# Altium PCB netv2mvp-dvt1a.PCBDOC (part 5 of 6)
Units mm, origin at the board's own origin, x right, y up, seen from the top; angles counter-clockwise.
Board outline 90 x 100 mm, 6 copper layers (L1, L2, L3, L4, L5, L6), stack 1.542 mm thick; 329 components, 277 nets, 2092 pads, 848 vias.
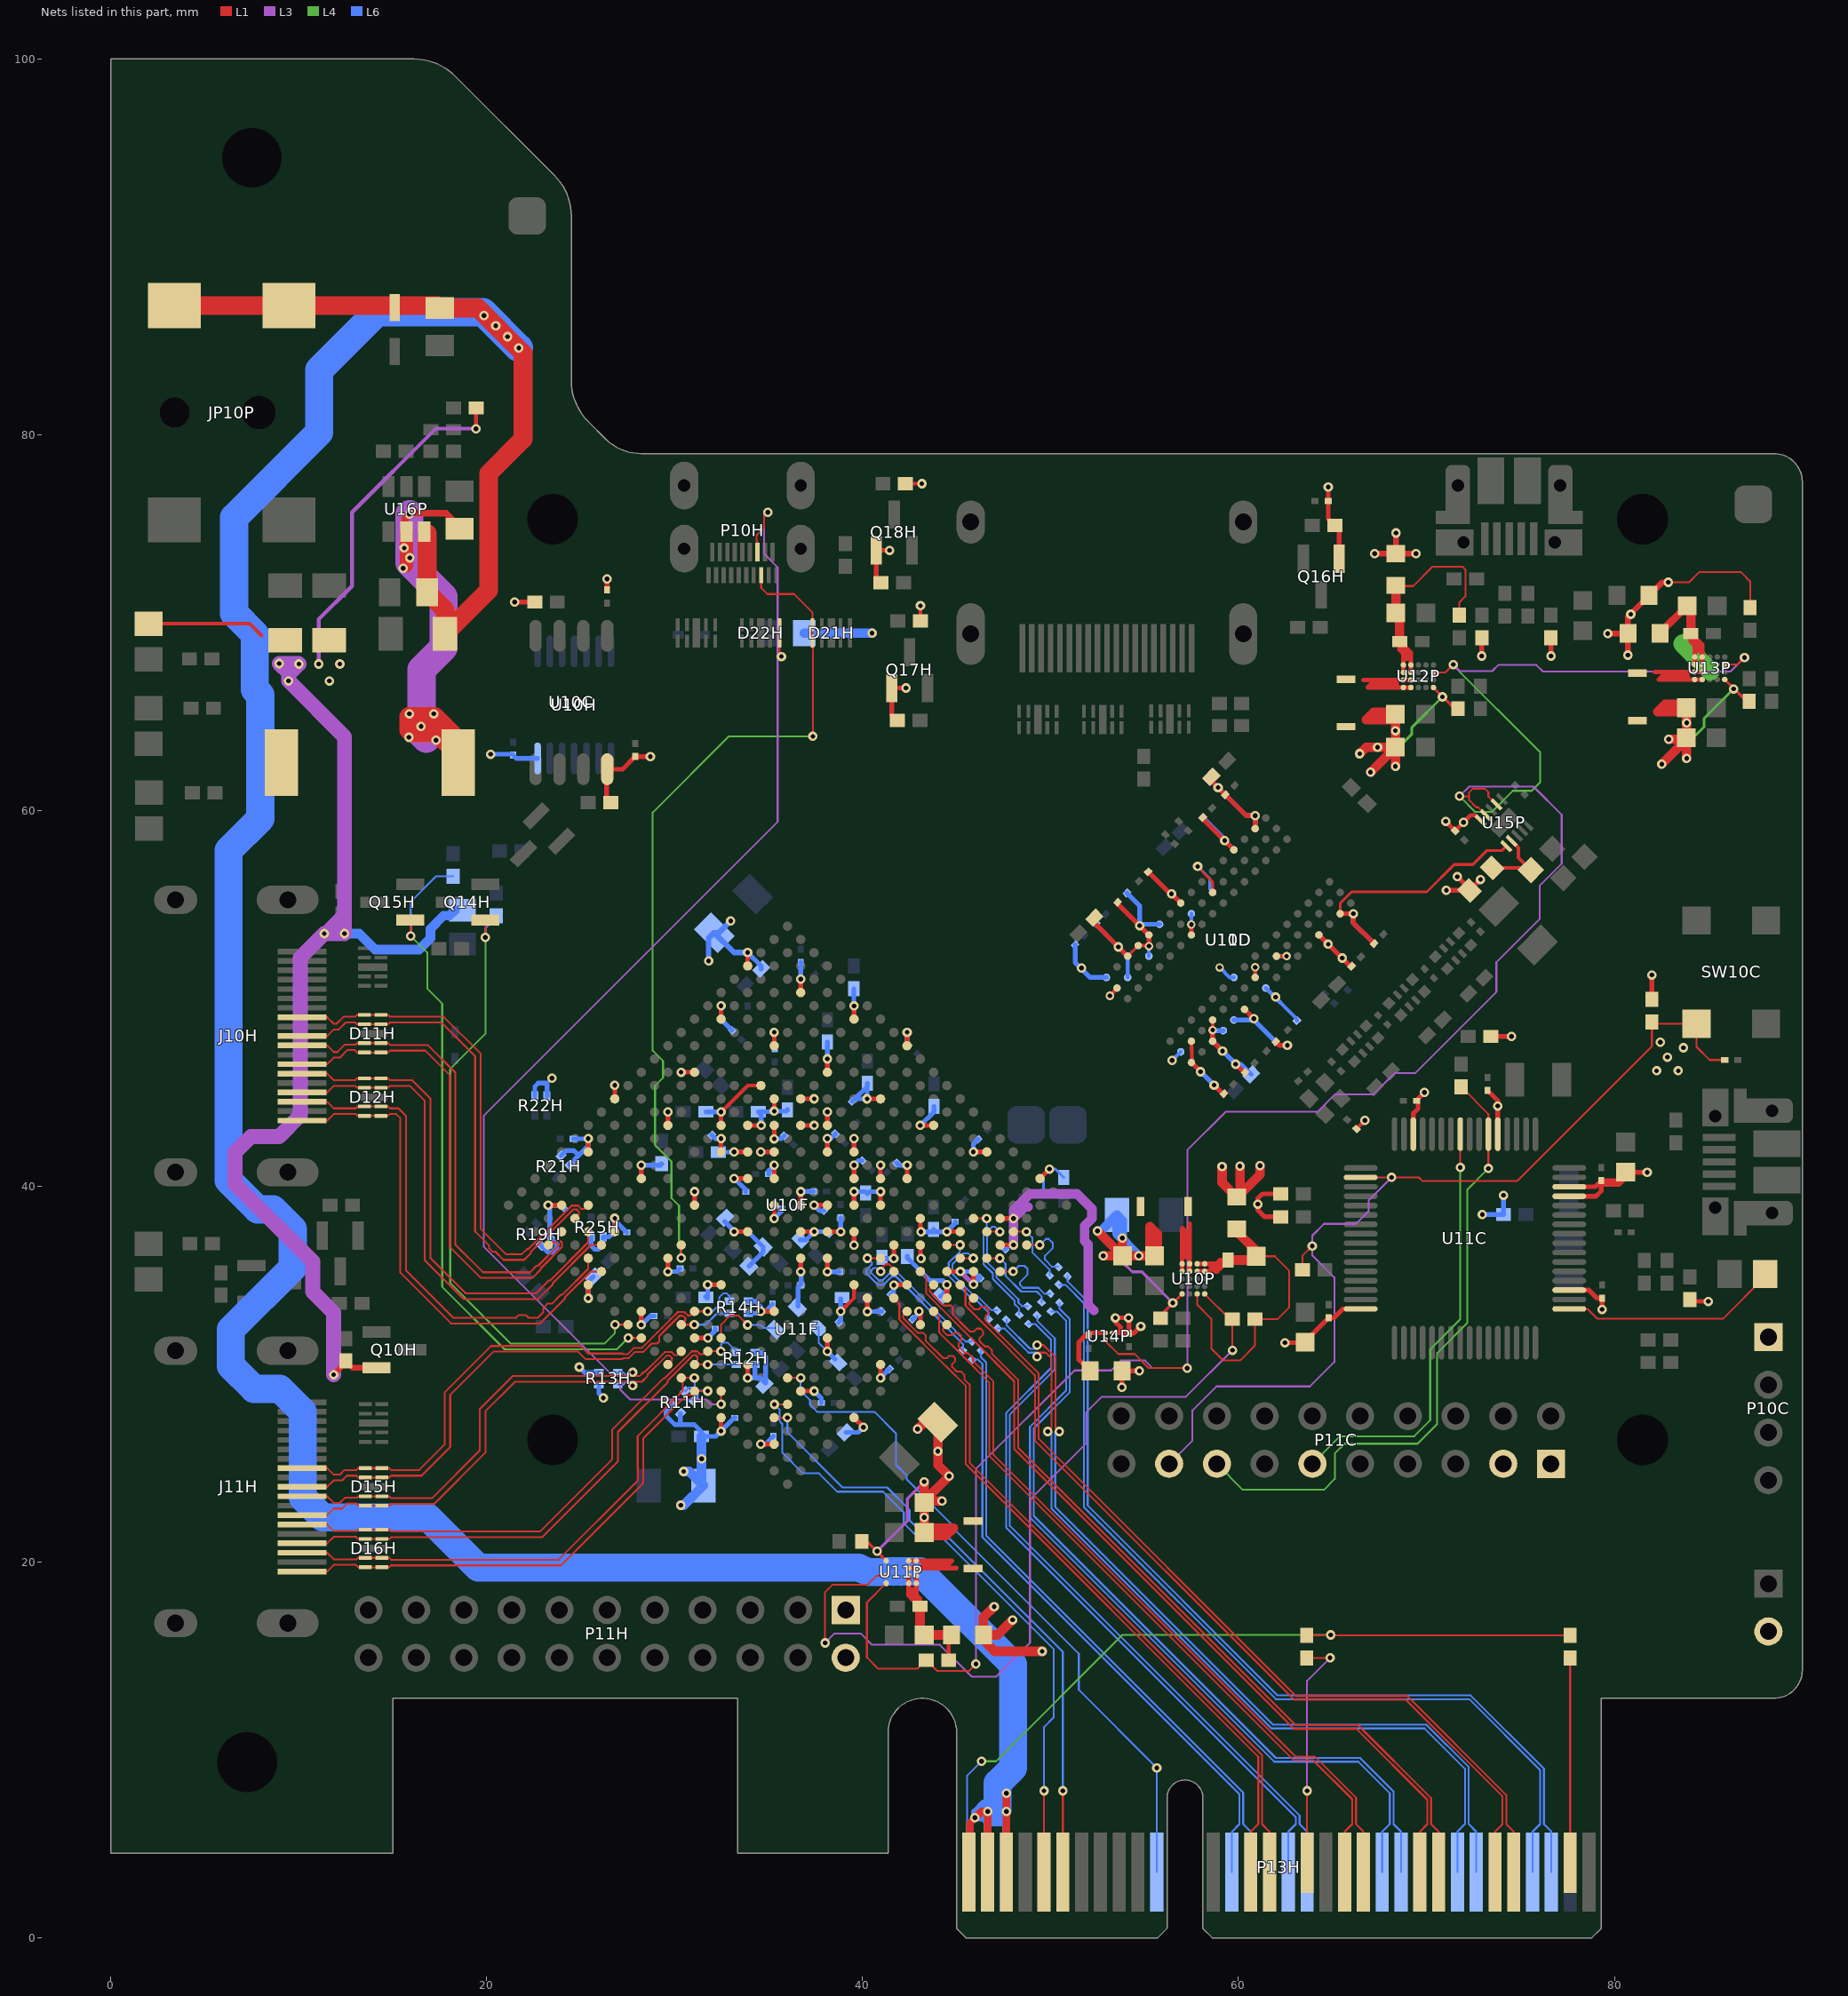
[diagram p9: the nets of this part, all layers, seen from the top]

## Via types
v1: diameter 0.5, hole 0.25, L1 to L6, tented both sides, 789 vias
v2: diameter 0.45, hole 0.25, L1 to L6, tented both sides, 57 vias
v3: diameter 0.5, hole 0.25, L1 to L6, tented top, 2 vias

## Nets (pads, with @x,y where several pads share a name; then routed paths per layer and width w, separated by ;. In a path a pad name is that pad's centre, name@x,y a point inside that pad or via, vN(x,y) a via of type N, cw(c..) or ccw(c..) an arc to the next point about the centre after c; other vN are vias at no path point) (continued)
P1.0V: C10F.1 C11F.1 C12F.1 C14P.1 C15P.1 C38F.1 C39F.1 C41F.1 C42F.1 C43F.1 C44F.1 C45F.1 C46F.1 C47F.1 C48F.1 C49F.1 L10P.2 R14P.2 U10F.D6 U10F.D10 U10F.E8 U10F.F7 U10F.F9 U10F.H8 U10F.H10 U10F.J7 U10F.J9 U10F.J11 U10F.K8 U10F.L7 U10F.L11 U10F.M8 U10F.N7 U10F.N11 U10F.P8 U10F.P10 U10F.R7 U10F.R9 U10F.T8 U10F.T10 U10P.A4 | length 47.7
  L1 w0.15: R14P.2@55.85,32.975 55.85,33.125 U10P.A4@57,34.275
  L1 w0.25: U10F.T10@33.879,43.243 v1(34.594,43.243) ; v1(34.578,41.828) U10F.P10@35.293,41.828 ; U10F.N11@35.293,40.414 v1(35.293,41.129) ; v1(35.293,42.528) U10F.R9@35.293,43.243 ; v1@35.293,43.942 v1(35.293,44) U10F.T8@35.293,44.657 ; U10F.L11@36.707,39 v1(36.707,39.715) ; U10F.P8@36.707,43.243 v1(37.422,43.243) ; U10F.R7@36.707,44.657 v1(37.422,44.657) ; U10F.J11@38.121,37.586 v1(38.836,37.586) ; U10F.M8@38.121,41.828 v1(38.121,42.543) ; U10F.N7@38.121,43.243 v1(38.121,43.958) ; v1(39.536,36.871) U10F.H10@39.536,37.586 ; U10F.J9@39.536,39 v1(39.536,39.715) ; U10F.K8@39.536,40.414 v1(39.536,41.129) ; U10F.L7@39.536,41.828 v1(39.536,42.543) ; U10F.H8@40.95,39 v1(40.95,39.715) ; U10F.J7@40.95,40.414 v1(40.95,41.129) ; v1@41.649,34.757 U10F.D10@42.364,34.757 ; v1(41.657,36.164) U10F.F9@41.657,36.879 ; v1@43.071,36.164 U10F.E8@43.071,36.879 ; v1@43.071,37.578 U10F.F7@43.071,38.293 ; v1(44.477,37.586) U10F.D6@45.192,37.586
  L1 w0.5: v1(52.5,37.625) C14P.1@53.825,36.3 ; v1(52.8,36.3) C14P.1@53.825,36.3 ; v1(53.825,37.25) C14P.1@53.825,36.3 ; C14P.1@54.025,36.3 C15P.1@55.525,36.3 ; C15P.1@55.525,36.3 55.675,36.45 55.675,37.45 55.275,37.85 55.275,36.55 C15P.1@55.525,36.3
  L3 w0.15: v1(53.825,37.25) 53.825,35.975 54.35,35.45 54.85,35.45 v1(56.5,33.8)
  L6 w0.25: v1(34.594,43.243) 34.594,43.831 C46F.1@34.45,43.975 35.268,43.975 v1(35.293,44) 35.925,44 C47F.1@36,44.075 ; C39F.1@35,40.65 35,40.836 v1(35.293,41.129) ; v1(35.293,42.528) 35.658,42.528 C42F.1@35.828,42.697 ; v1(36.707,39.715) 36.717,39.725 C45F.1@37.375,39.725 ; v1(38.121,42.543) 38.298,42.543 C43F.1@38.553,42.797 ; C11F.1@38.825,38.325 38.825,37.597 v1(38.836,37.586) ; v1(39.536,39.715) 40.135,39.715 40.25,39.6 40.365,39.715 v1(40.95,39.715) ; v1(39.536,41.129) 39.779,41.372 C41F.1@39.978,41.372 ; C48F.1@41.025,36.225 41.086,36.164 v1(41.657,36.164) ; C12F.1@41.503,34.222 41.649,34.369 v1@41.649,34.757 ; v1@43.071,37.578 C10F.1@43.653,37.578 ; C10F.1@43.775,37.7 C10F.1@43.653,37.578 ; C44F.1@44.925,38.125 44.925,38.033 v1(44.477,37.586) 44.47,37.578 C10F.1@43.653,37.578
  L6 w0.5: v1(52.5,37.625) 52.675,37.625 C49F.1@53.525,38.475 ; v1(53.825,37.25) 53.825,38.175 C49F.1@53.525,38.475 ; v1(54.7,36.3) 53.525,37.475 C49F.1@53.525,38.475
  other v1: 41.66,34.74 43.1,36.164 43.1,37.578
P1.2VTT: C15F.1 C16F.1 C17F.1 C27P.1 C87F.1 C88F.1 R11F.2 U10F.B5 U10F.B7 U10F.B9 U10F.B11 U10F.C4 U10F.C8 U14P.A2 | length 29.9
  L1 w0.25: U10F.B11@43.071,32.636 v1@43.071,33.351 ; U10F.B9@44.485,34.05 v1(44.485,34.765) ; U10F.C8@44.485,35.464 v1(45.2,35.464) ; v1@45.899,34.749 v1(45.899,34.78) U10F.B7@45.899,35.464 ; U10F.B5@47.314,36.879 v1(48.029,36.879) ; U10F.C4@47.314,38.293 v1(48.029,38.293) ; U14P.A2@53.275,32.2 53.725,32.2 ; v1(54.8,32.55) 54.425,32.175 C27P.1@54.175,32.175 ; 53.725,32.2 53.725,32.5 53.45,32.775 v1(53.45,33) v1(54.15,33) 54.175,33.025 C27P.1@54.175,32.175 ; 53.725,32.2 54.15,32.2 C27P.1@54.175,32.175
  L3 w0.25: v1(45.2,35.464) 45.885,34.78 v1(45.899,34.78)
  L3 w0.5: v1(48.029,36.879) v1(48.029,38.293) ; 48.8,38.9 48.636,38.9 v1(48.029,38.293) ; 52.3,33.4 52,33.7 52,36.904 51.8,37.104 51.8,37.892 52.2,38.292 52.2,38.8 51.4,39.6 48.9,39.6 48.029,38.729 v1(48.029,38.293)
  L6 w0.25: R11F.2@42.375,36.275 42.375,36.188 43.581,34.982 44.269,34.982 v1(44.485,34.765) 44.485,34.484 C17F.1@44.151,34.149 ; C15F.1@42.647,32.922 43.071,33.346 v1@43.071,33.351 ; v1(45.2,35.464) 45.9,35.464 C87F.1@46.242,35.122 ; v1(45.899,34.78) C87F.1@46.242,35.122 ; C87F.1@46.253,35.122 C87F.1@46.242,35.122 ; C88F.1@47.578,36.647 47.809,36.879 v1(48.029,36.879) ; v1(48.029,38.293) 48.45,38.714 C16F.1@48.45,38.725
  other v1: 43,33.351
P1.5V_D: C14D.1 C15D.1 C16D.1 C17D.1 C18D.1 C19D.1 C21D.1 C22D.1 C22P.1 C23D.1 C23P.1 C24D.1 C25D.1 C36D.1 C37D.1 C38D.1 C39D.1 C40D.1 C41D.1 C44D.1 C45D.1 C46D.1 C47D.1 C48D.1 C49D.2 C50D.1 C59F.1 C60F.1 C61F.1 C62F.1 C63F.1 C64F.1 C65F.1 C73F.1 C74F.1 C75F.1 C76F.1 C77F.1 C78F.1 C79F.1 L12P.2 R23P.2 R27P.2 U10D.A1 U10D.A8 U10D.B2 U10D.C1 U10D.C9 U10D.D2 U10D.D9 U10D.E9 U10D.F1 U10D.G7 U10D.H2 U10D.H9 U10D.K2 U10D.K8 U10D.N1 U10D.N9 U10D.R1 U10D.R9 U10F.AA7 U10F.AB4 U10F.C1 U10F.F2 U10F.H6 U10F.J3 U10F.M4 U10F.N1 U10F.R5 U10F.T2 U10F.V6 U10F.W3 U11D.A1 U11D.A8 U11D.B2 U11D.C1 U11D.C9 U11D.D2 U11D.D9 U11D.E9 U11D.F1 U11D.G7 U11D.H2 U11D.H9 U11D.K2 U11D.K8 U11D.N1 U11D.N9 U11D.R1 U11D.R9 U12P.A4 U15P.1 | length 124.9
  L1 w0.15: U11D.C9@54.099,52.25 U11D.D9@54.665,52.816 ; v1(57.825,57.025) 57.825,57 58.624,56.201 U11D.K8@58.624,55.644 ; U11D.R1@65.413,54.513 65.413,55.063 66.025,55.675 70.025,55.675 71.475,57.125 72.475,57.125 73.225,57.875 74.025,57.875 U15P.1@74.25,58.1 ; U12P.A4@70.375,66.55 71.525,65.4 R23P.2@71.675,65.4
  L1 w0.2: v2@53.152,50.143 U11D.A8@53.533,50.553 ; U11D.D9@54.665,52.816 v2@55.202,52.816 ; U11D.B2@57.493,47.724 U11D.A1@57.534,46.595 ; v2(58.624,48.319) U11D.D2@58.624,48.856 ; U11D.H2@60.887,51.119 v2(60.887,51.656) ; U11D.K2@62.018,52.25 v2(62.556,52.25) ; C50D.1@66.272,43.053 v1(66.725,43.505)
  L1 w0.25: U10F.AA7@32.464,48.899 v1(32.464,49.614) ; U10F.AB4@33.879,51.728 v1(33.879,52.443) ; U10F.V6@35.293,47.485 v1(35.293,48.2) ; U10F.W3@36.707,50.314 v1(36.707,51.029) ; U10F.R5@38.121,46.071 v1(38.121,46.786) ; U10F.T2@39.536,48.899 v1(39.536,49.6) v1@39.536,49.614 ; v1(40.235,44.657) U10F.M4@40.95,44.657 ; U10F.H6@42.364,40.414 v1(42.364,41.129) ; U10F.N1@42.364,47.485 v1(42.364,48.2) ; v1(43.063,43.243) U10F.J3@43.778,43.243 ; v1(45.892,41.828) U10F.F2@46.607,41.828 ; U10F.C1@49.435,40.414 v1(49.941,40.92) ; C23D.1@61.983,47.689 62.172,47.5 v1(62.6,47.5) ; v1(71.06,55.75) R27P.2@71.775,55.75 ; v1(71.644,56.481) R27P.2@72.15,55.975 ; R27P.2@72.375,55.825 v1(72.881,56.331)
  L1 w0.254: C37D.1@52.331,54.3 52.331,54.018 v1(53.607,52.742) U11D.C9@54.099,52.25 ; C25D.1@53.569,55.114 53.569,55.043 v1(54.738,53.874) U11D.E9@55.23,53.381 v2@55.23,52.844 ; C18D.1@55.195,56.74 56.364,55.571 v1(56.435,55.571) U11D.H9@56.927,55.078 ; U11D.A1@57.493,46.593 v1(57.985,46.101) ; U11D.G7@57.493,53.381 v2(57.493,53.93) ; C16D.1@58.094,59.639 58.094,59.568 v1(59.263,58.399) U11D.N9@59.756,57.907 ; C15D.1@58.554,61.796 58.554,61.584 C45D.1@59.296,60.841 60.403,59.734 v1(60.887,59.734) U11D.R9@60.887,59.038 ; v2@58.624,48.274 U11D.C1@58.624,47.724 v1(59.15,47.199) ; v1(58.7,45.386) 59.155,44.931 C14D.1@59.225,44.931 ; v1(59.85,46.5) C17D.1@60.286,46.063 ; U11D.F1@60.321,49.421 v1(60.814,48.929) ; U11D.N1@64.281,53.381 v1(64.774,52.889) 65.943,51.72 C19D.1@66.014,51.72 ; U11D.R1@65.413,54.513 v1(66.109,54.513) 66.109,54.029 C22D.1@67.216,52.922
  L1 w0.5: v1(66.45,63.025) 66.8,63.375 v1(67.4,63.375) C22P.1@68.35,63.375 ; v1(67.025,62.05) C22P.1@68.35,63.375 ; v1(68.35,62.35) C22P.1@68.35,63.375 ; C22P.1@68.35,63.575 C23P.1@68.35,65.075 ; C23P.1@68.35,65.075 68.1,64.825 66.8,64.825 67.2,65.225 68.2,65.225 C23P.1@68.35,65.075
  L4 w0.15: v1(68.35,62.35) 68.35,63.2 69.225,64.075 69.225,64.425 v1(70.85,66.05)
  L6 w0.15: C74F.1@49.625,39.675 49.625,40.604 v1(49.941,40.92) 50.255,40.92 C65F.1@50.7,40.475 ; v1(57.825,57.025) 58.475,56.375 58.475,55.793 U10D.K2@58.624,55.644
  L6 w0.2: U10D.B2@54.099,51.119 U10D.C1@54.099,52.25 ; U10D.D2@55.23,52.25 v2(55.23,52.787) ; v1(56.469,46.7) U10D.A8@56.927,47.159 ; v2@57.493,53.976 U10D.H2@57.493,54.513 ; v2(59,51.65) 59.531,51.119 U10D.G7@59.756,51.119 ; U10D.H9@61.453,50.553 63.115,48.891 C39D.1@63.115,48.82 ; U10D.K8@62.018,52.25 v2(62.556,52.25) ; U10D.N9@64.264,53.329 U10D.N9@64.281,53.381 65.943,51.72 C41D.1@66.014,51.72 ; U10D.R9@65.413,54.513 v1@65.909,54.513
  L6 w0.25: v1(32.464,49.614) 32.464,48.886 C76F.1@33.053,48.297 ; v1(33.879,52.443) 34.599,51.722 C78F.1@34.599,51.574 ; C61F.1@35.293,47.357 v1(35.293,48.2) ; C75F.1@36.7,51.925 36.7,51.036 v1(36.707,51.029) ; v1(38.121,46.786) 38.125,46.79 C79F.1@38.125,47.675 ; C62F.1@39.447,44.522 39.582,44.657 ; C63F.1@39.525,50.525 39.525,49.611 v1(39.536,49.6) ; C59F.1@41.797,41.247 41.916,41.129 v1(42.364,41.129) ; v1(42.364,48.2) 42.364,47.586 C60F.1@42.428,47.522 ; v1(43.063,43.243) 43.8,43.979 C64F.1@43.8,44.25 ; v1(45.892,41.828) 45.892,42.242 C73F.1@46.153,42.503 ; 39.582,44.657 v1(40.235,44.657) C77F.1@40.235,45.31 ; 39.582,44.657 C77F.1@40.235,45.31 ; C77F.1@40.235,45.31 40.235,45.46 C77F.1@40.25,45.475 40.25,45.325 C77F.1@40.235,45.31
  L6 w0.254: C48D.1@51.306,52.851 51.306,51.919 52.106,51.119 U10D.A1@52.968,51.119 ; C47D.1@52.437,53.982 52.437,53.912 v1(53.607,52.742) U10D.C1@54.099,52.25 ; C46D.1@54.064,55.609 54.738,54.934 v1(54.738,53.874) ; v1@54.811,53.947 U10D.F1@55.796,53.947 ; v1(57.985,46.101) v1(58.7,45.386) ; C24D.1@58.094,59.639 59.263,58.47 v1(59.263,58.399) U10D.N1@59.756,57.907 ; C21D.1@58.554,61.796 58.554,61.584 C36D.1@59.296,60.841 60.403,59.734 v1(60.887,59.734) U10D.R1@60.887,59.038 ; U10D.C9@58.624,47.724 v1(59.85,46.5) ; v2@58.653,48.29 U10D.D9@59.19,48.29 ; U10D.E9@59.756,48.856 v1@60.74,48.856 ; v1(59.85,46.5) 60.132,46.5 C44D.1@60.675,45.957 ; v1(60.814,48.929) 60.814,48.858 C40D.1@61.983,47.689 ; v1(66.109,54.513) 66.109,54.029 C38D.1@67.216,52.922
  L6 w0.3: v1(31.8,52) 31.8,53.2 C49D.2@32.1,53.5 ; v1(32.975,54.125) 32.35,53.5 C49D.2@32.1,53.5 ; v1(33.879,52.443) 33.156,52.443 C49D.2@32.1,53.5
  other v1: 61.975,50.075 51.65,51.625 65.525,52.15 58.912,61.225 68.35,64.25
  other v2: 53.153,50.142
P1.8V: C16P.1 C17P.1 C26F.1 C28F.1 C29F.1 C30F.1 C31F.1 C32F.1 C33F.1 C34F.1 C35F.1 L11P.2 R15P.2 U10F.E12 U10F.H12 U10F.K10 U10F.K12 U10F.M12 U10F.P12 U10F.R11 U11P.A4 | length 31
  L1 w0.15: R15P.2@39.95,21.225 40.1,21.225 40.762,20.563 U11P.A4@41.25,20.075
  L1 w0.25: v1(33.164,40.414) U10F.P12@33.879,40.414 ; v1(33.164,41.828) U10F.R11@33.879,41.828 ; v1(35.293,38.285) U10F.M12@35.293,39 ; U10F.K12@36.707,37.586 v1(37.422,37.586) ; v1(37.406,39) U10F.K10@38.121,39 ; v1(38.121,35.457) U10F.H12@38.121,36.172 ; v1(40.243,33.335) U10F.E12@40.243,34.05
  L1 w0.5: v1(42.925,27.075) 43.3,27.45 C35F.1@44,27.45 44,25.175 v1(44.6,24.575) C16P.1@43.275,23.25 ; C16P.1@43.275,23.05 C17P.1@43.275,21.55 ; v1(43.275,24.275) C16P.1@43.275,23.25 ; v1(44.225,23.25) C16P.1@43.275,23.25 ; C17P.1@43.275,21.55 43.525,21.8 44.825,21.8 44.425,21.4 43.425,21.4 C17P.1@43.275,21.55
  L3 w0.15: v1(40.775,20.575) 42.375,22.175 42.375,23.375 v1(43.275,24.275)
  L6 w0.25: C28F.1@32.325,41.825 33.16,41.825 v1(33.164,41.828) ; v1(33.164,40.414) 33.775,39.803 C26F.1@33.775,39.7 ; v1(35.293,38.285) 35.675,38.667 C34F.1@35.675,38.825 ; C29F.1@36.676,37.149 36.986,37.149 v1(37.422,37.586) 38.089,37.586 C33F.1@38.203,37.472 ; v1(37.406,39) 37.709,38.697 C32F.1@37.947,38.697 ; v1(38.121,35.457) 38.128,35.45 C31F.1@38.775,35.45 ; v1(40.243,33.335) 40.715,33.335 40.728,33.347 C30F.1@41.003,33.347
  other v1: 43.275,22.375 44,25.9
P3.3V: C10C.1 C10H.1 C12H.1 C17C.1 C18C.1 C19C.1 C20C.1 C21C.1 C22C.1 C23C.1 C24P.1 C25P.1 C37P.1 C50F.1 C51F.1 C52F.1 C53F.1 C54F.1 C55F.1 C56F.1 C57F.1 C58F.1 C66F.1 C67F.1 C68F.1 C69F.1 C70F.1 C71F.1 C72F.1 C80F.1 C81F.1 C82F.1 C83F.1 C84F.1 C85F.1 C86F.1 C89F.1 L13P.2 P10C.1 P10F.2 P11H.1 P11H.2 Q16H.1 Q17H.1 Q18H.1 R10C.1 R11C.1 R11H.1 R11H.2 R12C.1 R12F.2 R12H.3 R12H.4 R13F.2 R13H.1 R13H.2 R14F.2 R14H.3 R14H.4 R16C.1 R17C.2 R19H.3 R19H.4 R20C.2 R20P.2 R21C.2 R21H.1 R21H.2 R22C.2 R22H.1 R22H.2 R23C.1 R23H.1 R24H.1 R24P.2 R25H.3 R25H.4 R36H.1 R42H.1 R44H.1 U10C.8 U10F.A17 U10F.AA17 U10F.AB14 U10F.B14 U10F.C21 U10F.D18 U10F.E15 U10F.F12 U10F.F22 U10F.G19 U10F.H16 U10F.J13 U10F.K20 U10F.L17 U10F.M14 U10F.N21 U10F.P18 U10F.R15 U10F.T12 U10F.T22 U10F.U8 U10F.U11 U10F.U19 U10F.V16 U10F.W13 U10F.Y10 U10F.Y20 U10H.14 U11C.3 U11C.13 U11C.14 U11C.21 U11C.30 U11C.48 U11F.1 U11F.4 U13P.A4 U15P.10 | length 145
  L1 w0.15: U13P.A4@85.875,66.975 86.362,66.487 87.025,65.825 R24P.2@87.175,65.825
  L1 w0.2: v1(32.464,43.958) 32.483,43.958 33.889,45.364 U10F.U8@34.586,45.364 ; v1(38.828,33.343) 39.536,34.051 U10F.F12@39.536,34.757 ; C37P.1@71.528,58.922 72.355,59.75 72.6,59.75 U15P.10@72.878,59.472
  L1 w0.25: v1(21.475,71.1) R12C.1@22.55,71.1 ; v1(23.264,39) U10F.Y20@23.979,39 ; v1(25.393,34.042) U10F.T22@25.393,34.757 ; U10F.AA17@25.393,41.828 v1(25.393,42.543) ; R11C.1@26.375,60.525 26.375,62.17 U10C.8@26.405,62.2 27.225,62.2 C10C.1@27.9,62.875 v1(28.7,62.875) ; R10C.1@26.4,71.75 v1(26.4,72.325) ; U10F.U19@26.808,37.586 v1(26.808,38.301) ; U10F.AB14@26.808,44.657 v1(26.808,45.372) ; v1(28.222,32.628) U10F.N21@28.222,33.343 ; U10F.V16@28.222,40.414 v1(28.222,41.129) ; v1(29.636,35.457) U10F.P18@29.636,36.172 ; U10F.W13@29.636,43.243 v1(29.636,43.958) ; v1(30.335,46.071) U10F.Y10@31.05,46.071 ; U10F.K20@31.05,31.929 v1(31.765,31.929) ; U10F.R15@31.05,39 v1(31.05,39.715) ; v1(31.749,34.757) U10F.L17@32.464,34.757 ; v1(32.464,26.971) U10F.F22@32.464,27.686 ; U10F.T12@32.464,41.828 v1(32.464,42.543) ; U10F.U11@32.464,43.243 v1(32.464,43.958) ; v1(33.164,37.586) U10F.M14@33.879,37.586 ; v1(33.879,29.8) U10F.G19@33.879,30.515 ; v1(34.578,26.272) U10F.C21@35.293,26.272 ; v1(34.578,33.343) U10F.H16@35.293,33.343 ; U10F.D18@36.707,29.101 v1(37.422,29.101) ; v1(36.707,35.457) U10F.J13@36.707,36.172 ; v1(38.121,31.214) U10F.E15@38.121,31.929 ; U10F.A17@39.536,27.686 v1(40.041,27.181) ; v1(40.95,29.8) U10F.B14@40.95,30.515 ; R44H.1@40.975,72.125 40.725,72.375 Q18H.1@40.725,73.85 v1(41.425,73.85) ; R42H.1@41.85,64.8 41.55,65.1 Q17H.1@41.55,66.525 v1(42.3,66.525) ; v1(53.8,29.3) R20P.2@53.8,30.175 v1(54.725,30.175) ; R22C.2@62.25,38.375 61.4,38.375 61.025,38.75 61.025,39.35 61.275,39.6 R21C.2@62.25,39.6 ; v1(62.475,31.675) 63.525,31.675 C17C.1@63.55,31.7 63.55,31.75 C19C.1@64.8,33 65.075,33 65.55,33.475 U11C.48@66.5,33.475 ; v1(64.775,77.225) C12H.1@64.775,76.475 64.775,75.525 R36H.1@65.125,75.175 65.35,74.95 Q16H.1@65.35,73.4 ; U11C.30@69.3,42.775 69.3,43.875 69.55,44.125 69.55,44.65 v1(69.9,45) ; v1(71.022,59.428) C37P.1@71.528,58.922 ; v1(72.95,68.225) R24H.1@72.95,69.2 ; C18C.1@73.25,45.1 73.8,44.55 U11C.21@73.8,42.775 ; R16C.1@73.425,47.975 v1(74.525,47.975) ; v1(76.625,68.225) R23H.1@76.625,69.2 ; U11C.3@77.6,34.475 78.65,34.475 79.075,34.05 C20C.1@79.35,34.05 v1(79.35,33.45) ; U11C.13@77.6,39.475 79.025,39.475 79.3,39.75 C23C.1@79.3,40.3 ; U11C.14@77.6,39.975 78.975,39.975 C23C.1@79.3,40.3 ; v1(81.75,40.75) C22C.1@80.6,40.75 ; R23C.1@82,49.95 v1(82,51.25) ; R20C.2@84.025,33.975 84.125,33.875 v1(85,33.875) ; C23C.1@79.3,40.3 80.15,40.3 C22C.1@80.6,40.75 ; C23C.1@79.3,40.3 79.5,40.1 80.25,40.1 80.6,40.45 C22C.1@80.6,40.75
  L1 w0.5: v1(82.525,62.475) C25P.1@83.85,63.8 ; v1(82.9,63.8) C25P.1@83.85,63.8 ; v1(83.85,62.775) C25P.1@83.85,63.8 ; C25P.1@83.85,64 v1(83.85,64.675) C24P.1@83.85,65.5 ; C24P.1@83.85,65.5 83.6,65.25 82.3,65.25 82.7,65.65 83.7,65.65 C24P.1@83.85,65.5
  L4 w0.15: v1(83.85,62.775) 83.85,63.525 84.775,64.45 84.775,64.9 v1(86.35,66.475)
  L6 w0.1: U11F.1@37.656,32.535 37.656,31.679 v1(38.121,31.214)
  L6 w0.2: C58F.1@31.65,43.975 C58F.1@31.667,43.958
  L6 w0.25: v1(20.2,63) 21.35,63 21.575,62.775 U10H.14@22.7,62.775 ; R22H.1@22.55,44.8 22.55,45.31 22.73,45.49 23.2,45.49 R22H.2@23.2,44.8 ; R19H.4@22.887,36.853 23.26,36.48 23.45,36.48 23.72,36.75 23.72,36.939 R19H.3@23.347,37.313 23.347,38.917 v1(23.264,39) 23.94,39 C81F.1@24.133,38.807 ; R21H.1@23.95,41.63 24.22,41.9 24.64,41.9 24.89,41.65 ; R21H.2@24.41,41.17 24.89,41.65 ; C83F.1@24.6,42.525 25.375,42.525 v1(25.393,42.543) 25.393,42.154 24.89,41.65 ; v1(24.92,30.38) 25.21,30.09 R13H.2@25.96,30.09 ; v1(25.393,34.042) 25.393,34.918 C84F.1@25.676,35.201 ; R25H.4@25.55,37.31 25.55,36.84 25.75,36.64 25.94,36.64 26.2,36.9 R25H.3@26.2,37.31 26.5,37.31 26.808,37.618 v1@26.808,38.192 ; R13H.1@25.96,29.44 25.96,28.98 v1(26.2,28.74) ; v1(26.808,38.301) v1@26.808,38.192 ; C51F.1@27.45,37.55 v1@26.808,38.192 ; v1(28.222,32.628) 28.694,33.1 C82F.1@28.9,33.1 ; v1(28.222,41.129) 29.229,41.129 R13F.2@29.3,41.2 ; v1(29.636,35.457) 30.107,35.457 C53F.1@30.275,35.625 ; R11H.2@29.84,28.37 29.54,28.069 29.54,27.78 30,27.32 30.29,27.32 ; R11H.1@30.3,27.91 30.3,27.33 30.29,27.32 ; C57F.1@31.65,34.125 C57F.1@31.733,34.042 ; C58F.1@31.667,43.958 v1(32.464,43.958) ; C57F.1@31.75,34.063 v1@31.75,34.794 ; v1(31.765,31.929) 32.15,32.314 C52F.1@32.15,32.425 ; C66F.1@31.978,42.728 32.162,42.543 v1(32.464,42.543) ; C71F.1@32.65,38.125 33.189,37.586 v1(33.164,37.586) 33.889,37.586 R14F.2@34.701,36.774 34.701,36.502 R12F.2@33.949,35.751 ; C68F.1@33.2,27.675 33.168,27.675 v1(32.464,26.971) 32.183,26.69 C56F.1@31.42,26.69 31.42,26.94 31.04,27.32 30.29,27.32 ; v1(33.879,29.8) 34.3,29.8 ; R14H.4@33.91,33.24 34.475,33.24 v1(34.578,33.343) ; R14H.3@33.91,33.89 34.28,33.89 34.578,33.592 v1(34.578,33.343) ; R12H.4@34.27,30.51 34.27,29.83 34.3,29.8 ; R12H.3@34.27,31.16 34.6,31.16 34.83,30.93 34.83,29.53 34.826,29.526 34.552,29.8 34.3,29.8 ; v1(34.578,26.272) 34.822,26.272 C54F.1@35.25,26.7 ; C55F.1@35.2,33.725 34.818,33.343 v1(34.578,33.343) ; U11F.4@36.56,33.631 36.56,34.635 36.725,34.8 36.725,35.439 v1(36.707,35.457) ; v1(37.422,29.101) 37.8,28.723 C69F.1@37.8,28.475 ; v1(38.121,31.214) 38.111,31.214 C85F.1@38.525,30.8 ; C80F.1@38.722,32.753 38.828,32.858 v1(38.828,33.343) C70F.1@38.828,34.003 ; C72F.1@39.099,26.899 39.76,26.899 v1(40.041,27.181) ; v1(40.95,29.8) C67F.1@41.428,30.278 ; v1(72.975,38.5) R17C.2@74.1,38.5 v1(74.1,39.525)
  L6 w0.5: v1(30.325,23.025) 30.475,23.025 C50F.1@31.525,24.075 C50F.1@31.42,24.18 ; v1(30.475,24.825) 30.775,24.825 C50F.1@31.42,24.18 ; C56F.1@31.42,26.69 C50F.1@31.42,24.18
  other v1: 31.425,25.5 61.025,39.05 73.8,44.275 23.46,45.75 71.98,59.375
P3V_MTT: C26P.1 R20P.1 U14P.A1 | length 3.4
  L1 w0.25: R20P.1@52.1,30.175 51.5,30.775 51.5,31.7 51.875,32.075 C26P.1@52.025,32.075 52.15,32.2 U14P.A1@52.925,32.2
P3V_VTT: C29P.1 R27P.1 U15P.2 | length 3.9
  L1 w0.2: R27P.1@73.501,56.951 C29P.1@75.443,56.951 ; U15P.2@74.533,58.383 74.9,58.016 74.9,57.494 C29P.1@75.443,56.951 ; C29P.1@75.559,56.834 C29P.1@75.443,56.951
P5.0V: C34P.2 C35P.2 D11P.1 F10H.1 F11H.1 L14P.2 P11C.1 P11C.3 Q10H.2 R10P.1 R11P.1 R16H.1 R18P.1 R19P.1 R22P.2 R28P.1 R29P.2 R41H.1 R43H.1 | length 120.1
  L1 w0.1: v1(82.875,72.15) 83.975,72.15 84.525,72.7 86.725,72.7 87.225,72.2 R22P.2@87.225,70.8
  L1 w0.2: D11P.1@2,69.95 7.375,69.95 8,69.325 ; v1(19.425,80.325) R29P.2@19.425,81.425 ; R43H.1@42.275,77.4 v1(43.15,77.4) ; R41H.1@43.075,70.1 v1(43.075,70.9)
  L1 w0.3: v1(11.85,29.975) 12.5,30.625 R16H.1@12.5,30.7 12.85,30.35 Q10H.2@14.125,30.35 ; v1(67.25,73.675) R18P.1@68.375,73.675 ; v1(68.375,74.775) R18P.1@68.375,73.675 ; v1(69.45,73.675) R18P.1@68.375,73.675 ; v1(79.65,69.425) R19P.1@80.725,69.425 ; v1(80.725,68.275) R19P.1@80.725,69.425 ; v1(82.875,72.15) 82.55,72.15 R28P.1@81.85,71.45 80.725,70.325 R19P.1@80.725,69.425
  L1 w0.5: v1(47,17.625) 46.425,17.05 R11P.1@46.425,16.125 ; v1(47.975,16.925) 47.175,16.125 R11P.1@46.425,16.125 ; v1(49.55,15.25) 47.025,15.25 46.425,15.85 R11P.1@46.425,16.125 ; v1(59.125,41.05) 59.125,40.2 R10P.1@59.9,39.425 ; v1(60.075,41.075) 60.075,39.6 R10P.1@59.9,39.425 ; v1(61.15,41.1) 61.15,40.625 59.95,39.425 R10P.1@59.9,39.425